# Altium PCB extension.PcbDoc (part 2 of 3)
Units mm, origin at the board's own origin, x right, y up, seen from the top; angles counter-clockwise.
Board outline 156 x 120 mm, 4 copper layers (Top Copper, Supply, GND, Bot Copper), stack 1.56 mm thick; 231 components, 147 nets, 660 pads, 234 vias.
Unrouted connection lines stored in the file: 5.
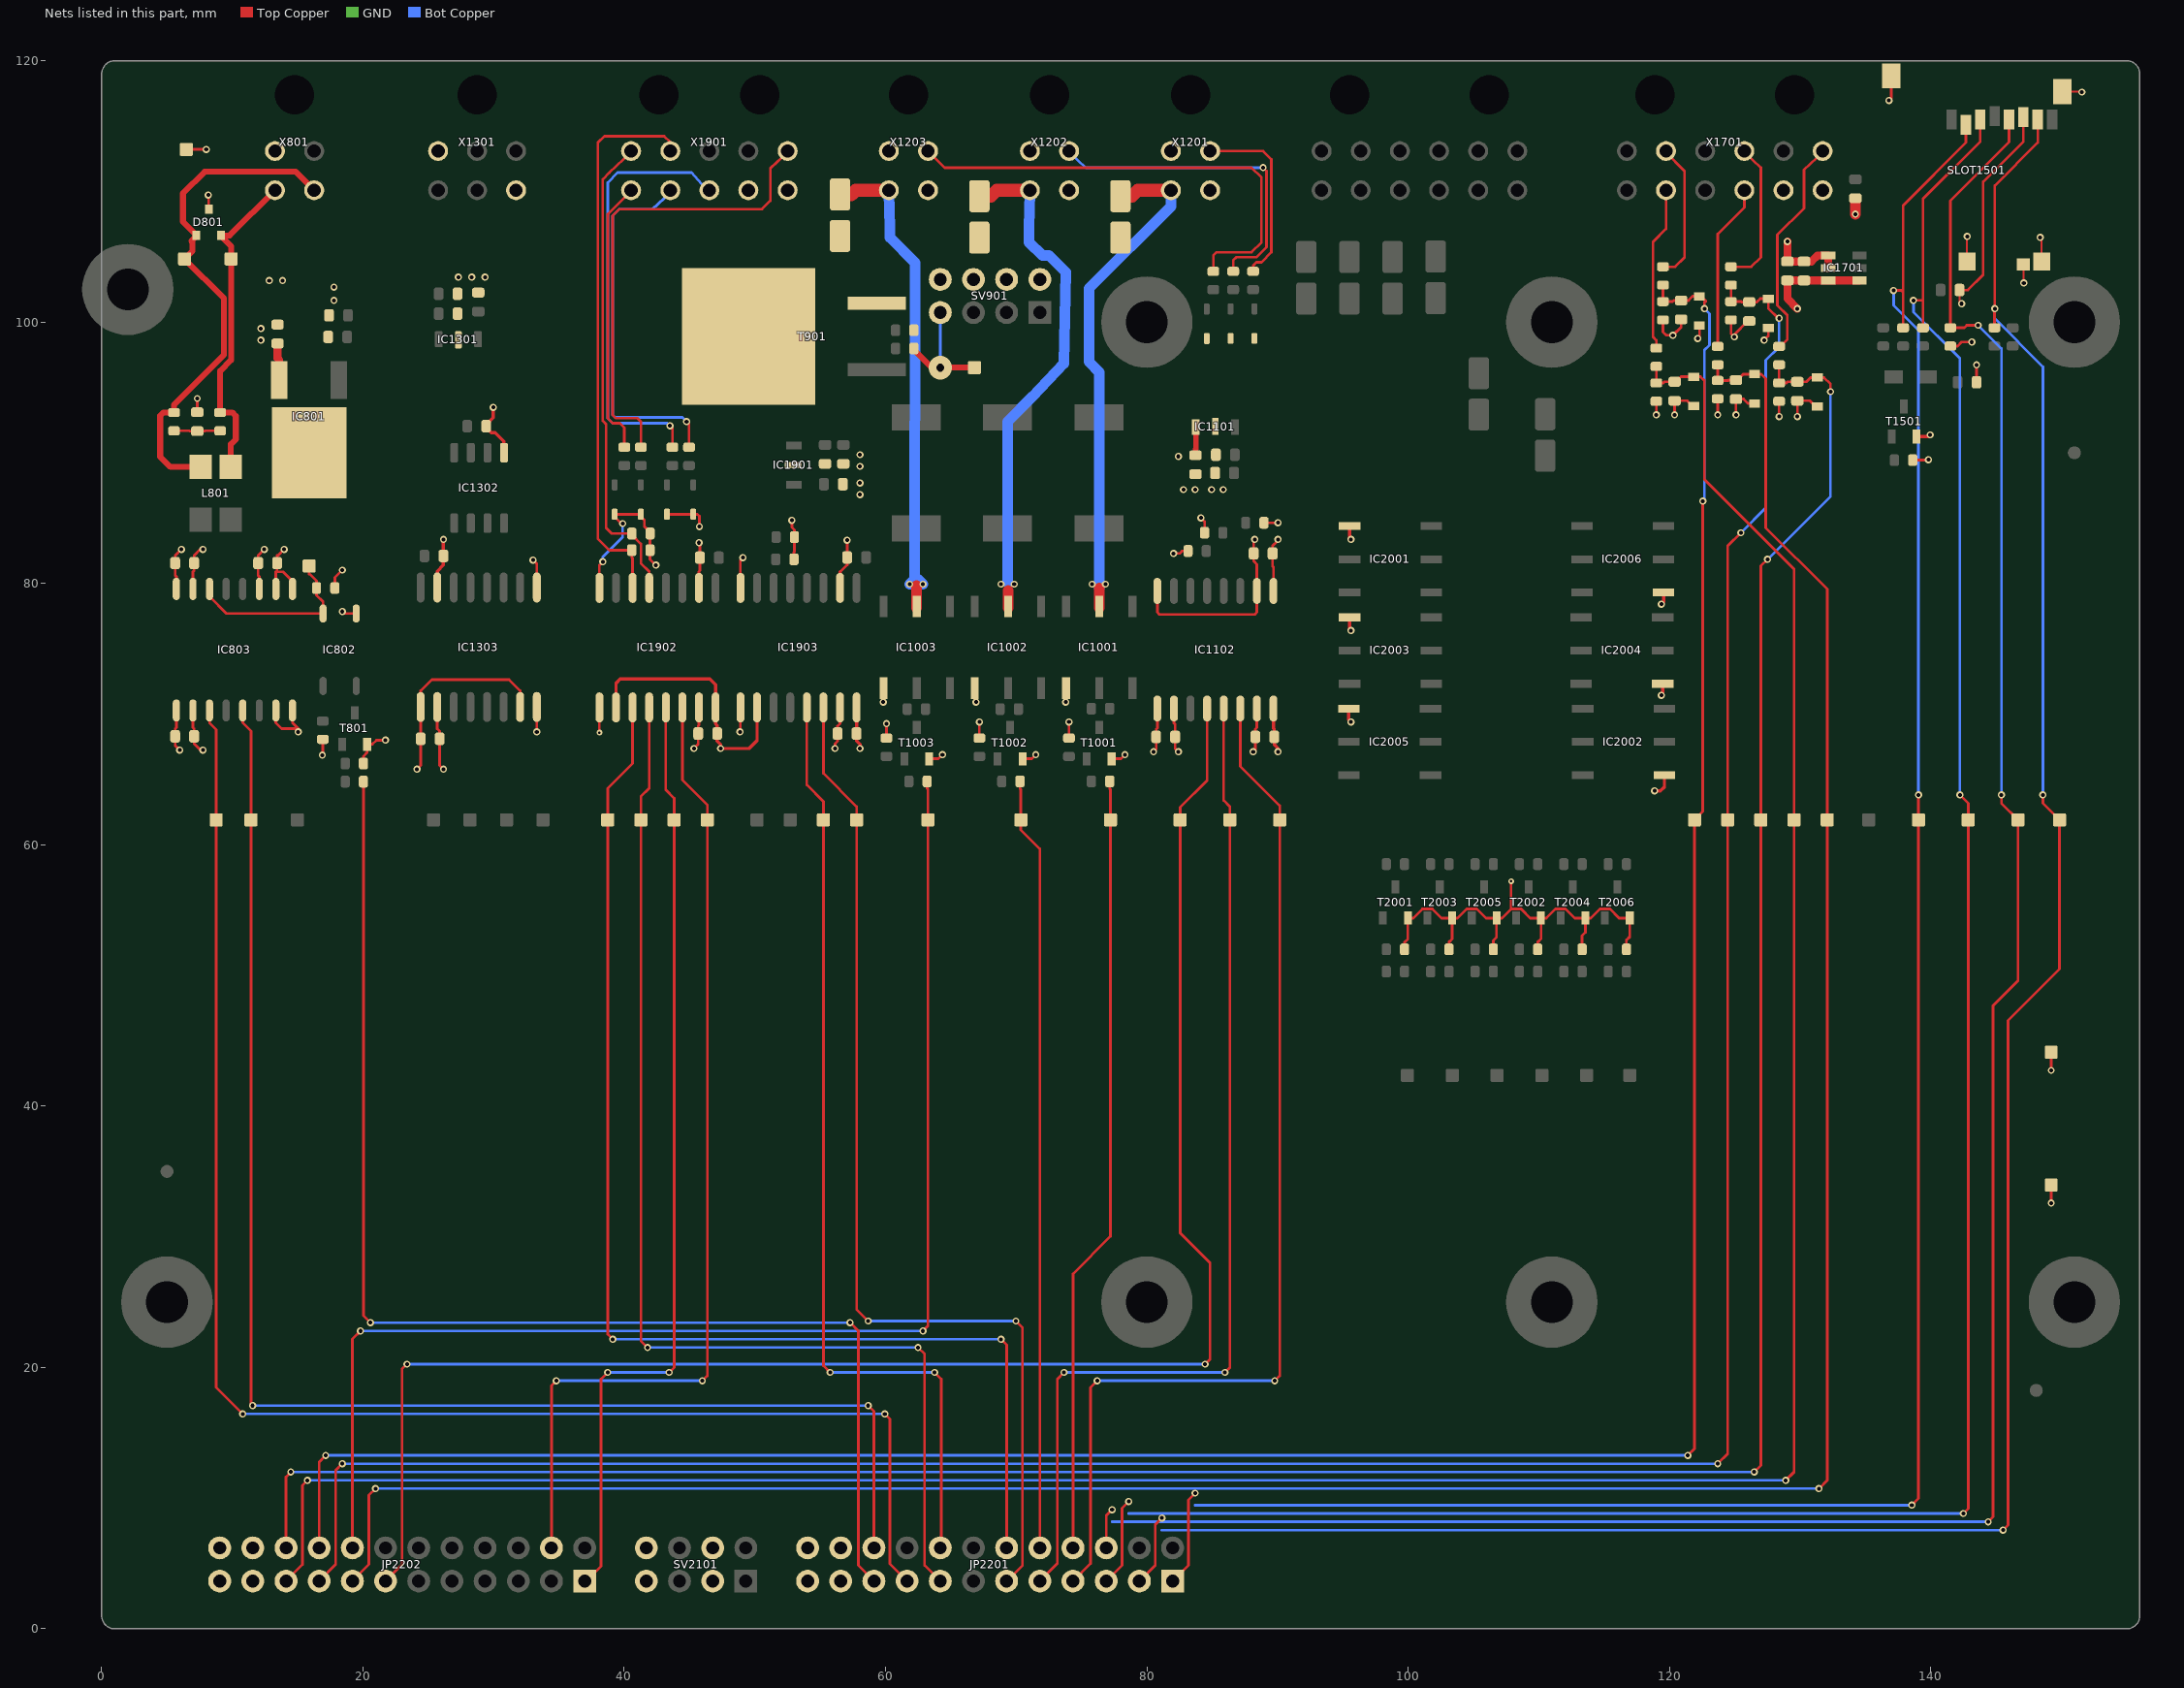
[diagram p4: the nets of this part, all layers, seen from the top]

## Part data
C801 C1102 C1301 C1502 C1703 C1902: library part gen_C_ceramic_1u_50V_X7R_0603, "MLCC", Capacitance=1u, Case EIA=0603, Case Metric=1608, Dielectric=X7R, Operating Temperature="-55°C - +125°C", Rated Voltage=50V, Supplier Part Number 1=2779055, Tolerance="± 10%", Part Number=gen_C_ceramic_1u_50V_X7R_0603, Supplier 1=Farnell
C802 C803 C805 C806 C807 C1101 C1103 C1104 C1105 C1106 C1302 C1303 C1304 C1305 C1306 C1501 C1701 C1702 C1704 C1705 C1706 C1707 C1708 C1901 C1903 C1904 C1905 C1906 C1907: library part gen_C_ceramic_100n_50V_X7R_0603, "MLCC", Capacitance=100n, Case EIA=0603, Case Metric=1608, Dielectric=X7R, PnP Package=C_0603_10, PnP Value=100n/50V/X7R, Rated Voltage=50V, Supplier Part Number 1=2525267, Part Number=gen_C_ceramic_100n_50V_X7R_0603, PnP equipped=x, Supplier 1=Farnell
C804: library part gen_C_ceramic_4n7_50V_X7R_0603, "MLCC", Capacitance=4n7, Case EIA=0603, Case Metric=1608, Dielectric=X7R, PnP Package=C_0603_05, Rated Voltage=50V, Supplier Part Number 1=2904754, Automotive Qualified=True, Part Number=gen_C_ceramic_4n7_50V_X7R_0603, Supplier 1=Farnell
D801: library part CMP-2000-04916-1, "CAN Bus ESD Protection Diode, 200 W, 24 V, -65 to 150 degC, 3-Pin SOT23, RoHS, Tape and Reel", Breakdown Voltage=27.8V, Breakdown Voltage Max=30.3V, Breakdown Voltage Min=25.4V, Breakdown Voltage Range=25.4Vto30.3V, Capacitance Cd @ Vr Max=17pF, Capacitance Cd @ Vr Typ=11pF, Clamping Voltage @ 8/20µs Max=70V, Diode Case Style=SOT-23, Manufacturer="NXP Semiconductors", Operating Temperature Max=150degC, Operating Temperature Min=-65degC, Operating Temperature Range=-65degCto+150degC, Peak Pulse Current Ippm=3A, Peak Pulse Power=200W, Reverse Stand-Off Voltage Vrwm=24V, Breakover Voltage Min=25.4V, Clamping Voltage Vc Max=70V, Datasheet URL=https://datasheet.ciiva.com/22692/109497-22692467.pdf, Datasheet Version="Rev. 04, 02/2008", Diode Configuration=Bidirectional, Diode Type=BidirectionalTVS, Manufacturer URL=http://www.nxp.com/, No. of Pins=3, Package / Case=SOT-23, SMD Marking=AN, Stand-off Voltage=24V, SVHC=NoSVHC(20-Jun-2013), Termination Type=SMD, TVS Polarity=Bidirectional
D1001 D1002 D1003 D2001 D2002 D2003 D2004 D2005 D2006: "Standard Recovery Diode, 100 V, 1 A, Single, 1 V, 2 µs, 30 A", Breakdown Voltage=100V, Continuous Forward Current=1A, Manufacturer="ON Semiconductor", Operating Temperature="-65°C - +175°C", Part Name=GF1B, Supplier Part Number 1=1467477, ComponentLink1Description=Datasheet, ComponentLink1URL=http://www.farnell.com/datasheets/2303965.pdf, Part Number=d_si_sma_1A, Supplier 1=Farnell
D1101 D1102 D1103 D1901 D1902 D1903 D1904: "TVS Diode, CDSOD323 Series, Unidirectional, 5 V, 18.3 V, SOD-323, 2 Pins", Breakdown Voltage=6V, Manufacturer=Bourns, Operating Temperature="-55°C - +150°C", Supplier Part Number 1=2341914, ComponentLink1Description=Datasheet, ComponentLink1URL=http://www.farnell.com/datasheets/1845299.pdf, Part Name=CDSOD323-T05, Part Number=CDSOD323-T05, Supplier 1=Farnell
D1701 D1702 D1703 D1704 D1705: library part CMP-1060-00652-1, "Zener Voltage Regulator, 300 mW, Tight Tolerance Portfolio, 2-Pin SOD-323, Pb-Free, Tape and Reel", Manufacturer="On Semiconductor", ComponentLink1Description="Manufacturer URL", ComponentLink1URL=http://www.onsemi.com/, ComponentLink2Description=Datasheet, ComponentLink2URL=http://www.onsemi.cn/pub_link/Collateral/MM3Z2V4ST1-D.PDF, ComponentLink3Description="Package Specification", ComponentLink3URL=http://www.onsemi.com/pub_link/Collateral/477-02.PDF.1, DatasheetVersion="Rev. 21", Mounting Technology="Surface Mount", PackageDescription="2-Pin SOD, Body 1.7 x 1.25 mm", PackageReference=SOD-323-2-477-02, PackageVersion="Rev. H, 03/2007", Packing="Tape and Reel", PartNumber=MM3Z3V3ST1G, P Max (W)=0.3, RoHS=Pb-Free
Designator24: library part Layer_Marker_4_Layers
Designator30 Designator31 Designator32 Designator33 Designator34 Designator35 Designator36 Designator37: library part Hole_3.2_Iso
F1001 F1002 F1003: library part fuse_4A_3403.0172.11, Manufacturer=Schurter, Operating Temperature="-55°C - +125°C", Supplier Part Number 1=486-1253-ND, ComponentLink1Description="Catalog Page Digikey", ComponentLink1URL=http://dkc3.digikey.com/PDF/DE2011-DE/P2352.pdf, Part Number=fuse_4A_3403.0172.11, Supplier 1=Digikey, Supplier 2=Mouser, Supplier Part Number 2=693-3403.0172.11
FD1 FD2 FD3: library part Fiducial_2, "Fiducial (Round)", PnP Package=FD, PnP Value=Fiducial2, Part Number=Fiducial_2
IC801: library part KA7805ERTF, "3-Terminal 1 A Positive Voltage Regulator", Manufacturer=Fairchild, Operating Temperature="-40°C - +125°C", Supplier Part Number 1=2102585, ComponentLink1Description=Datasheet, ComponentLink1URL=http://www.farnell.com/datasheets/2299720.pdf, Part Name=KA7805ERTF, Part Number=KA7805ERTF, Supplier 1=Farnell
IC802: "Single-Pole, Normally Open 4-Pin SOP OptoMOS Relay", Manufacturer=CLARE, Operating Temperature="-40°C - +85°C", Supplier Part Number 1=1653755, ComponentLink1Description=Datasheet, ComponentLink1URL=http://www.farnell.com/datasheets/1924621.pdf, Part Name=CPC1008N, Part Number=CPC1008N, Supplier 1=Farnell
IC803: library part CMP-2000-07246-1, "Galvanically Isolated High-Speed CAN Transceiver, -40 to 125 degC, 16-Pin SOIC, RoHS, Tape and Reel", Manufacturer=NXPSemiconductors, Maximum Single Supply Voltage=5.25V, Minimum Single Supply Voltage=3, Package=16SOIC, Package Description="16-Pin Small Outline Integrated Circuit, Body 10.3 x 7.5 mm, Pitch 1.27 mm", Package Reference=SOT162-1, Power Down Mode=Standby, Category=Transceiver, Datasheet URL=http://www.nxp.com/documents/data_sheet/TJA1052I.pdf, Datasheet Version="Rev. 3, 01/2015", Manufacturer URL=http://www.nxp.com/, Maximum Data Rate=1Mbps, Mounting Technology=SurfaceMount, Number of Transceivers=1, Packaging=Tape&Reel, Rad Hard=No, Standard Supported=ISO11898-2
IC1001 IC1002 IC1003 IC2001 IC2002 IC2003 IC2004 IC2005 IC2006: "PhotoMOS Relay", Manufacturer=Panasonic, Operating Temperature="-40°C - +85°C", Supplier Part Number 1=255-3594-1-ND, Part Name=AQV252G2SX, Part Number=AQV252G2SX, Supplier 1=Digikey, Supplier 2=Farnell, Supplier Part Number 2=2302216
IC1101 IC1301 IC1901: library part CMP-2000-07341-1, "Positive-Voltage Regulator, 100 mA, 0 to 125 degC, 3-Pin SOT-89 (PK), Green (RoHS & no Sb/Br), Tape and Reel", Input Voltage MAX=20V, Input Voltage MIN=7V, Manufacturer=TexasInstruments, Maximum Operating Temperature=+125C, Minimum Operating Temperature=0C, Output Current=100mA, Output Voltage=5V, Package / Case=SOT-89-4, Package Description="3-Pin Small Outline Transistor, Body 4.5 x 2.5 mm, Pitch 1.5 mm", Package Reference=PK0003A, Brand=TexasInstruments, Datasheet URL=http://www.ti.com/lit/ds/symlink/ua78l05.pdf, Datasheet Version="Rev. U, 05/2011", Line Regulation=200mV, Load Regulation=60mV, Manufacturer URL=http://www.ti.com/, Mounting Style=SMD/SMT, Mounting Technology=SurfaceMount, Number of Outputs=1, Output Type=Fixed, Package URL=http://www.ti.com/lit/ml/mhsi001b/mhsi001b.pdf, Packaging=Reel, Polarity=Positive, Product Category=LinearVoltageRegulators, PSRR / Ripple Rejection - Typ=49dB, RoHS=True, Series=UA78L05
IC1102: library part CMP-0534-00476-1, "Triple Channel Digital Isolator, Enhanced System-Level ESD Reliability, 2.5 KV rms Insulation Rating, 90 Mbps Data Rate, 32 ns Delay, Industrial, 16-pin SOIC (RW-16), Tube", Insulation Rating (kVrms)=2.5, Manufacturer="Analog Devices", Max Operating Temp (degreesC)=105, Code_JEDEC=MS-013-AA, ComponentLink1Description="Manufacturer URL", ComponentLink1URL=http://www.analog.com/en/index.html, ComponentLink2Description=Datasheet, ComponentLink2URL=http://www.analog.com/static/imported-files/data_sheets/ADUM3300_3301.pdf, ComponentLink3Description="Package Specification", ComponentLink3URL=http://www.analog.com/static/imported-files/packages/PKG_PDF/SOIC_WIDE%20%28RW%29/RW_16.pdf, ComponentLink4Description="URL Link1", ComponentLink4URL="Product URL:http://www.analog.com/en/interface-isolation/digital-isolators/adum3300/products/product.html", DatasheetVersion="Rev. B", Max Data Rate=90Mbps, Mounting Technology="Surface Mount", PackageDescription="16-Pin Standard Small Outline Package, Body 10.3 x 7.5 mm, Pitch 1.27 mm", PackageReference=RW-16, PackageVersion="032707-B, 03/2007", PartNumber=ADUM3300CRWZ
IC1302: library part LT1785CS8#PBF, "Transceiver RS422/RS485, Fault Protected, 4.75V-5.25V supply, SOIC-8", Manufacturer="Linear Technology", Operating Temperature="0°C - 70°C", Part Name=LT1785CS8, Supplier Part Number 1=1663498, ComponentLink1Description=Datasheet, ComponentLink1URL=http://www.farnell.com/datasheets/1905888.pdf, Part Number=LT1785CS8#PBF, Supplier 1=Farnell
IC1303: library part CMP-0534-00405-1, "Quad Channel Digital Isolator, Enhanced System-Level ESD Reliability, 2.5 KV rms Insulation Rating, 90 Mbps Data Rate, 32 ns Delay, Industrial, 16-pin SOIC (RW-16), Tube", Insulation Rating (kVrms)=2.5, Manufacturer="Analog Devices", Max Operating Temp (degreesC)=105, Code_JEDEC=MS-013-AA, ComponentLink1Description="Manufacturer URL", ComponentLink1URL=http://www.analog.com/en/index.html, ComponentLink2Description=Datasheet, ComponentLink2URL=http://www.analog.com/static/imported-files/data_sheets/ADUM3400_3401_3402.pdf, ComponentLink3Description="Package Specification", ComponentLink3URL=http://www.analog.com/static/imported-files/packages/PKG_PDF/SOIC_WIDE%20%28RW%29/RW_16.pdf, ComponentLink4Description="URL Link1", ComponentLink4URL="Product URL:http://www.analog.com/en/interface-isolation/digital-isolators/adum3401/products/product.html", DatasheetVersion="Rev. B", Max Data Rate=90Mbps, Mounting Technology="Surface Mount", PackageDescription="16-Pin Standard Small Outline Package, Body 10.3 x 7.5 mm, Pitch 1.27 mm", PackageReference=RW-16, PackageVersion="032707-B, 03/2007", PartNumber=ADUM3401CRWZ
IC1701: library part CMP-0784-00366-1, "Micropower, High Accuracy Voltage Reference, 2.5 V Output, 2.7 to 5.5 V Supply, Industrial, 6-pin SOT23 (RJ-6), Reel", Manufacturer="Analog Devices", Operating Temp Range="-40 to 125 degC", Code_JEDEC=MO-178-AB, ComponentLink1Description="Manufacturer URL", ComponentLink1URL=http://www.analog.com/en/index.html, ComponentLink2Description=Datasheet, ComponentLink2URL=http://www.analog.com/static/imported-files/data_sheets/ADR3412_ADR3420_ADR3425_ADR3430_ADR3433_ADR3440_ADR3450.pdf, ComponentLink3Description="Package Specification", ComponentLink3URL=http://www.analog.com/static/imported-files/packages/PKG_PDF/SOT-23(RJ)/RJ_6.pdf, ComponentLink4Description="URL Link1", ComponentLink4URL="Product URL:http://www.analog.com/en/special-linear-functions/voltage-references/adr3425/products/product.html", DatasheetVersion="Rev. B", Max V Supply (V)=5.5, Min V Supply (V)=2.7, Mounting Technology="Surface Mount", PackageDescription="6-Pin Small Outline Transistor Package, Body 2.9 x 1.6 mm, Pitch 0.95 mm", PackageReference=RJ-6, PackageVersion="121608-A, 12/2008", Packing=Reel, PartNumber=ADR3425ARJZ-R2, Ref Out TC (ppm/C)=2.5, Vout=2.5V
IC1902 IC1903: library part CMP-0534-00413-1, "Quad Channel Digital Isolator, Enhanced System-Level ESD Reliability, 2.5 KV rms Insulation Rating, 10 Mbps Data Rate, 50 ns Delay, Industrial, 16-pin SOIC (RW-16), Tube", Insulation Rating (kVrms)=2.5, Manufacturer="Analog Devices", Max Operating Temp (degreesC)=105, Code_JEDEC=MS-013-AA, ComponentLink1Description="Manufacturer URL", ComponentLink1URL=http://www.analog.com/en/index.html, ComponentLink2Description=Datasheet, ComponentLink2URL=http://www.analog.com/static/imported-files/data_sheets/ADUM3400_3401_3402.pdf, ComponentLink3Description="Package Specification", ComponentLink3URL=http://www.analog.com/static/imported-files/packages/PKG_PDF/SOIC_WIDE%20%28RW%29/RW_16.pdf, ComponentLink4Description="URL Link1", ComponentLink4URL="Product URL:http://www.analog.com/en/interface-isolation/digital-isolators/adum3402/products/product.html", DatasheetVersion="Rev. B", Max Data Rate=10Mbps, Mounting Technology="Surface Mount", PackageDescription="16-Pin Standard Small Outline Package, Body 10.3 x 7.5 mm, Pitch 1.27 mm", PackageReference=RW-16, PackageVersion="032707-B, 03/2007", PartNumber=ADUM3402BRWZ
JP2201 JP2202: library part samtec_TLW-112-06-G-D, "Board-To-Board Connector, Vertical, Low Profile, 2.54 mm, 24 Contacts, Header, TLW Series, Through Hole, 2 Rows", Manufacturer=Samtec, Operating Temperature="-55°C - +125°C", Part Name=TLW-112-06-G-D, Supplier Part Number 1=SAM1096-12-ND, Circuits=24, ComponentLink1Description=Datasheet, ComponentLink1URL=http://suddendocs.samtec.com/catalog_english/tlw_th.pdf, Part Number=samtec_TLW-112-06-G-D, Supplier 1=Digikey
L801: library part B82789N, "Common Mode Choke", Manufacturer="EPCOS / TDK", Operating Temperature="-55°C - +150°C", Rated Current=250mA, Supplier Part Number 1=871-B82789C0513H002, ComponentLink1Description=Datasheet, ComponentLink1URL=https://www.mouser.com/ds/2/400/b82789c0_s0-1220172.pdf, Inductance=51uH, Part Number=B82789N, Supplier 1=Mouser
L1501: library part CMP-0686-00649-2, "Chip Ferrite Bead for General Signal lines, 470 Ohm, 700 mA, -55 to 125 degC, 2 x 1.25 x 1.05 mm SMD, Tape and Reel", DC Resistance="0.19 Ohm Max.", Manufacturer=Murata, Operating Temperature Range="-55 to 125 degC", Rated Current="700 mA", ComponentLink1Description="Manufacturer URL", ComponentLink1URL=http://www.murata.com/, ComponentLink2Description=Datasheet, ComponentLink2URL=http://www.murata.com/products/catalog/pdf/c31e.pdf, ComponentLink3Description="Package Specification", ComponentLink3URL=http://www.murata.com/products/catalog/pdf/c31e.pdf, DatasheetVersion=08/2013, Impedance (at 100 MHz)="470 Ohm +/- 25%", Mounting Technology="Surface Mount", PackageDescription="2-Pin Chip, Body 2 x 1.25 mm", PackageReference=BLM21_H1050-2, Packing="Tape and Reel", PartNumber=BLM21AG471SN1J
LSP801 LSP802 LSP803 LSP804 LSP805 LSP806 LSP807 LSP901 LSP1001 LSP1002 LSP1003 LSP1101 LSP1102 LSP1103 LSP1301 LSP1302 LSP1303 LSP1304 LSP1501 LSP1502 LSP1503 LSP1504 LSP1505 LSP1701 LSP1702 LSP1703 LSP1704 LSP1705 LSP1901 LSP1902 LSP1903 LSP1904 LSP1905 LSP1906 LSP1907 LSP1908 LSP2001 LSP2002 LSP2003 LSP2004 LSP2005 LSP2006 LSP2101 LSP2102: "Testpoint, square", Part Number=Testpoint_Square
R801 R802: library part gen_R_62R_0603, "SMD Resistor 62R 0603", Case EIA=0603, Case Metric=1608, Maximum Working Voltage=75V, Operating Temperature="-55°C - +155°C", PnP Package=R_0603, Power=0.1W, Supplier Part Number 1=2073943, Tolerance=1%, Part Number=gen_R_62R_0603, PnP Value=62R, Resistance=62R, Series=E24, Supplier 1=Farnell
R803 R805 R901 R1002 R1005 R1008 R1104 R1105 R1106 R1502 R1503 R1504 R1505 R1506 R1507 R1903 R1904 R1907 R1908 R2003 R2004 R2009 R2010 R2015 R2016: library part gen_R_10k_0603, "SMD Resistor 10k 0603", Case EIA=0603, Case Metric=1608, Maximum Working Voltage=75V, Operating Temperature="-55°C - +155°C", PnP Package=R_0603, Power=0.1W, Supplier Part Number 1=2073349, Tolerance=1%, Part Number=gen_R_10k_0603, PnP Value=10k, Resistance=10k, Series="E24, E96", Supplier 1=Farnell
R804 R1003 R1006 R1009 R2005 R2006 R2011 R2012 R2017 R2018: library part gen_R_430R_0603, "SMD Resistor 430R 0603", Case EIA=0603, Case Metric=1608, Maximum Working Voltage=75V, Operating Temperature="-55°C - +155°C", PnP Package=R_0603, Power=0.1W, Supplier Part Number 1=2074259, Tolerance=1%, Part Number=gen_R_430R_0603, PnP Value=430R, Resistance=430R, Series=E24, Supplier 1=Farnell
R806 R902 R1001 R1004 R1007 R2001 R2002 R2007 R2008 R2013 R2014: library part gen_R_10R_0603, "SMD Resistor 10R 0603", Case EIA=0603, Case Metric=1608, Maximum Working Voltage=75V, Operating Temperature="-55°C - +155°C", PnP Package=R_0603, Power=0.1W, Supplier Part Number 1=2073361, Tolerance=1%, Part Number=gen_R_10R_0603, PnP Value=10R, Resistance=10R, Series="E24, E96", Supplier 1=Farnell
R1101 R1102 R1103 R1901 R1902 R1905 R1906: library part gen_R_47R_0603, "SMD Resistor 47R 0603", Case EIA=0603, Case Metric=1608, Maximum Working Voltage=75V, Operating Temperature="-55°C - +155°C", PnP Package=R_0603, Power=0.1W, Supplier Part Number 1=2303030, Tolerance=1%, Part Number=gen_R_47R_0603, PnP Value=47R, Resistance=47R, Series=E24, Supplier 1=Farnell
R1501: library part gen_R_47k_0603, "SMD Resistor 47k 0603", Case EIA=0603, Case Metric=1608, Maximum Working Voltage=75V, Operating Temperature="-55°C - +155°C", PnP Package=R_0603, Power=0.1W, Supplier Part Number 1=2073510, Tolerance=1%, Part Number=gen_R_47k_0603, PnP Value=47k, Resistance=47k, Series=E24, Supplier 1=Farnell
R1701 R1703 R1705 R1707 R1709: library part gen_R_0R_0603, "SMD Resistor 0R 0603", Case EIA=0603, Case Metric=1608, Maximum Working Voltage=75V, Operating Temperature="-55°C - +155°C", PnP Package=R_0603, Power=0.1W, Supplier Part Number 1=2073345, Part Number=gen_R_0R_0603, PnP Value=0R, Resistance=0R, Series=Jumper, Supplier 1=Farnell
R1702 R1704 R1706 R1708 R1710: library part gen_R_4k75_0603, "SMD Resistor 4k75 0603", Case EIA=0603, Case Metric=1608, Maximum Working Voltage=75V, Operating Temperature="-55°C - +155°C", PnP Package=R_0603, Power=0.1W, Supplier Part Number 1=2073517, Tolerance=1%, Part Number=gen_R_4k75_0603, PnP Value=4k75, Resistance=4k75, Series=E96, Supplier 1=Farnell
SLOT1501: "1.10mm Pitch Memorycard Card Connector, Push-Push Type, with VSS (Supply Voltage Ground) Detect Switch, Lead-Free", Manufacturer=Molex, Operating Temperature="-20°C - +85°C", Part Name=47352-1001, Rated Current=0.5A, Rated Voltage="100V DC", Supplier Part Number 1=2424133, Automotive Qualified=False, Circuits=10, ComponentLink1Description=Drawing, ComponentLink1URL=http://www.molex.com/pdm_docs/sd/473521001_sd.pdf, Part Number=molex_47352-1001, Supplier 1=Farnell
SV901 SV2101: "Board-To-Board Connector, Vertical, Low Profile, 2.54 mm, 8 Contacts, Header, TLW Series, Through Hole, 2 Rows", Manufacturer=Samtec, Operating Temperature="-55°C - +125°C", Part Name=TLW-104-06-G-D, Supplier Part Number 1=SAM1096-04-ND, Circuits=8, ComponentLink1Description=Datasheet, ComponentLink1URL=http://suddendocs.samtec.com/catalog_english/tlw_th.pdf, Part Number=samtec_TLW-104-06-G-D, Supplier 1=Digikey
T801 T1001 T1002 T1003 T2001 T2002 T2003 T2004 T2005 T2006: "MOSFET-Transistor, n-Kanal, 1.6 A, 100 V, 0.178 ohm, 10 V, 2.5 V", Manufacturer=Infineon, Maximum Continous Drain Current (25°C)=1.6A, Maximum Drain-Source Voltage=100V, Operating Temperature="-55°C - +150°C", Part Name=NMOS, Supplier Part Number 1=1783928, ComponentLink1Description="Datasheet URL", ComponentLink1URL=http://www.farnell.com/datasheets/491501.pdf, Part Number=IRLML0100TRPBF, R_DS(on)=190m, Supplier 1=Farnell, Total Gate Charge=2.5nC
T901: library part CMP-1259-00124-1, "N-Channel TrenchMOS Logic Level FET, 60 V, 100 A, 3-Pin SOT404, Tape and Reel", Manufacturer="NXP Semiconductors", Automotive Qualified=Y, Channel Type=N, ComponentLink1Description="Manufacturer URL", ComponentLink1URL=http://www.nxp.com/, ComponentLink2Description=Datasheet, ComponentLink2URL=http://www.nxp.com/documents/data_sheet/BUK964R8-60E.pdf, ComponentLink3Description="Package Specification", ComponentLink3URL=http://www.nxp.com/documents/outline_drawing/sot404_po.pdf, ID [max] (A)=100, IDM [max] (A)=596, Mounting Technology="Surface Mount", PackageDescription="3-Pin Plastic Single-ended Surface Mounted Package, Body 10 x 9.6 mm, Pitch 2.54 mm", PackageReference=SOT404, PackageVersion="13-02-25, 02/2013", Packing="Tape & Reel", PartNumber=BUK964R8-60E,118, Qr [typ] (nC)=56, VDS [max] (V)=60, VGSth [typ] (V)=1.7
T1501: library part CMP-1099-00028-1, "P-Channel SIPMOS Small-Signal-Transistor, -60 V VDS, -0.17 A ID, -55 to 150 degC, PG-SOT23, Reel, Green", Manufacturer=Infineon, ComponentLink1Description="Manufacturer URL", ComponentLink1URL=http://www.infineon.com/, ComponentLink2Description=Datasheet, ComponentLink2URL=http://www.infineon.com/dgdl/BSS84P_Rev2.7%5B1%5D.pdf?folderId=db3a304314dca38901154a72e3951a65&fileId=db3a304330f68606013118ac7a9b4549, ComponentLink3Description="Package Specification", ComponentLink3URL=http://www.infineon.com/dgdl/SOT23-Package_Overview.pdf?folderId=db3a30431936bc4b0119532290053c66&fileId=db3a30431936bc4b0119533468123c85, DatasheetVersion="Rev. 2.7", Green=TRUE, Halogen-free=TRUE, ID (max)="-0.17 A", IDpuls (max)="-0.68 A", Mounting Technology="Surface Mount", PackageDescription="3-Pin Small Outline Transistor Package, 2.9 x 1.3 mm Body, 0.95 mm Pitch", PackageReference=PG-SOT23, PackageVersion=Apr-08, Packing=Reel, PartNumber=BSS84P, Pto t (max)="0.36 W", QG="1 nC", RDS (on) (max)="8,000 mOhm", RDS (on) (max) (@4.5V)="12,000 mOhm", Rth="350 K/W", VDS (max)="-60 V", VGS(th) (max)="-2 V", VGS(th) (min)="-1 V"
X801 X1201 X1202 X1203: "Micro-Fit 3.0 Right Angle Header, 3.00mm Pitch, Dual Row, 4 Circuits, with Snap-in Plastic Peg PCB Lock, Tin, Glow Wire Capable, Black, 43045-0400", Manufacturer=Molex, Operating Temperature="-40°C - +105°C", Part Name=MicroFit, Rated Current=8.5A, Rated Voltage=600V, Supplier Part Number 1=9733019, Circuits=4, Part Number=molex_microfit_3_02x2_THT, Supplier 1=Farnell